# Altium PCB RTM_4SFP_3QSFP.PcbDoc (part 1 of 4)
Units mm, origin at the board's own origin, x right, y up, seen from the top; angles counter-clockwise.
Board outline 182.55 x 148.55 mm, 4 copper layers (L1, P2, P3, L4), stack 1.58 mm thick; 277 components, 253 nets, 1307 pads, 553 vias.
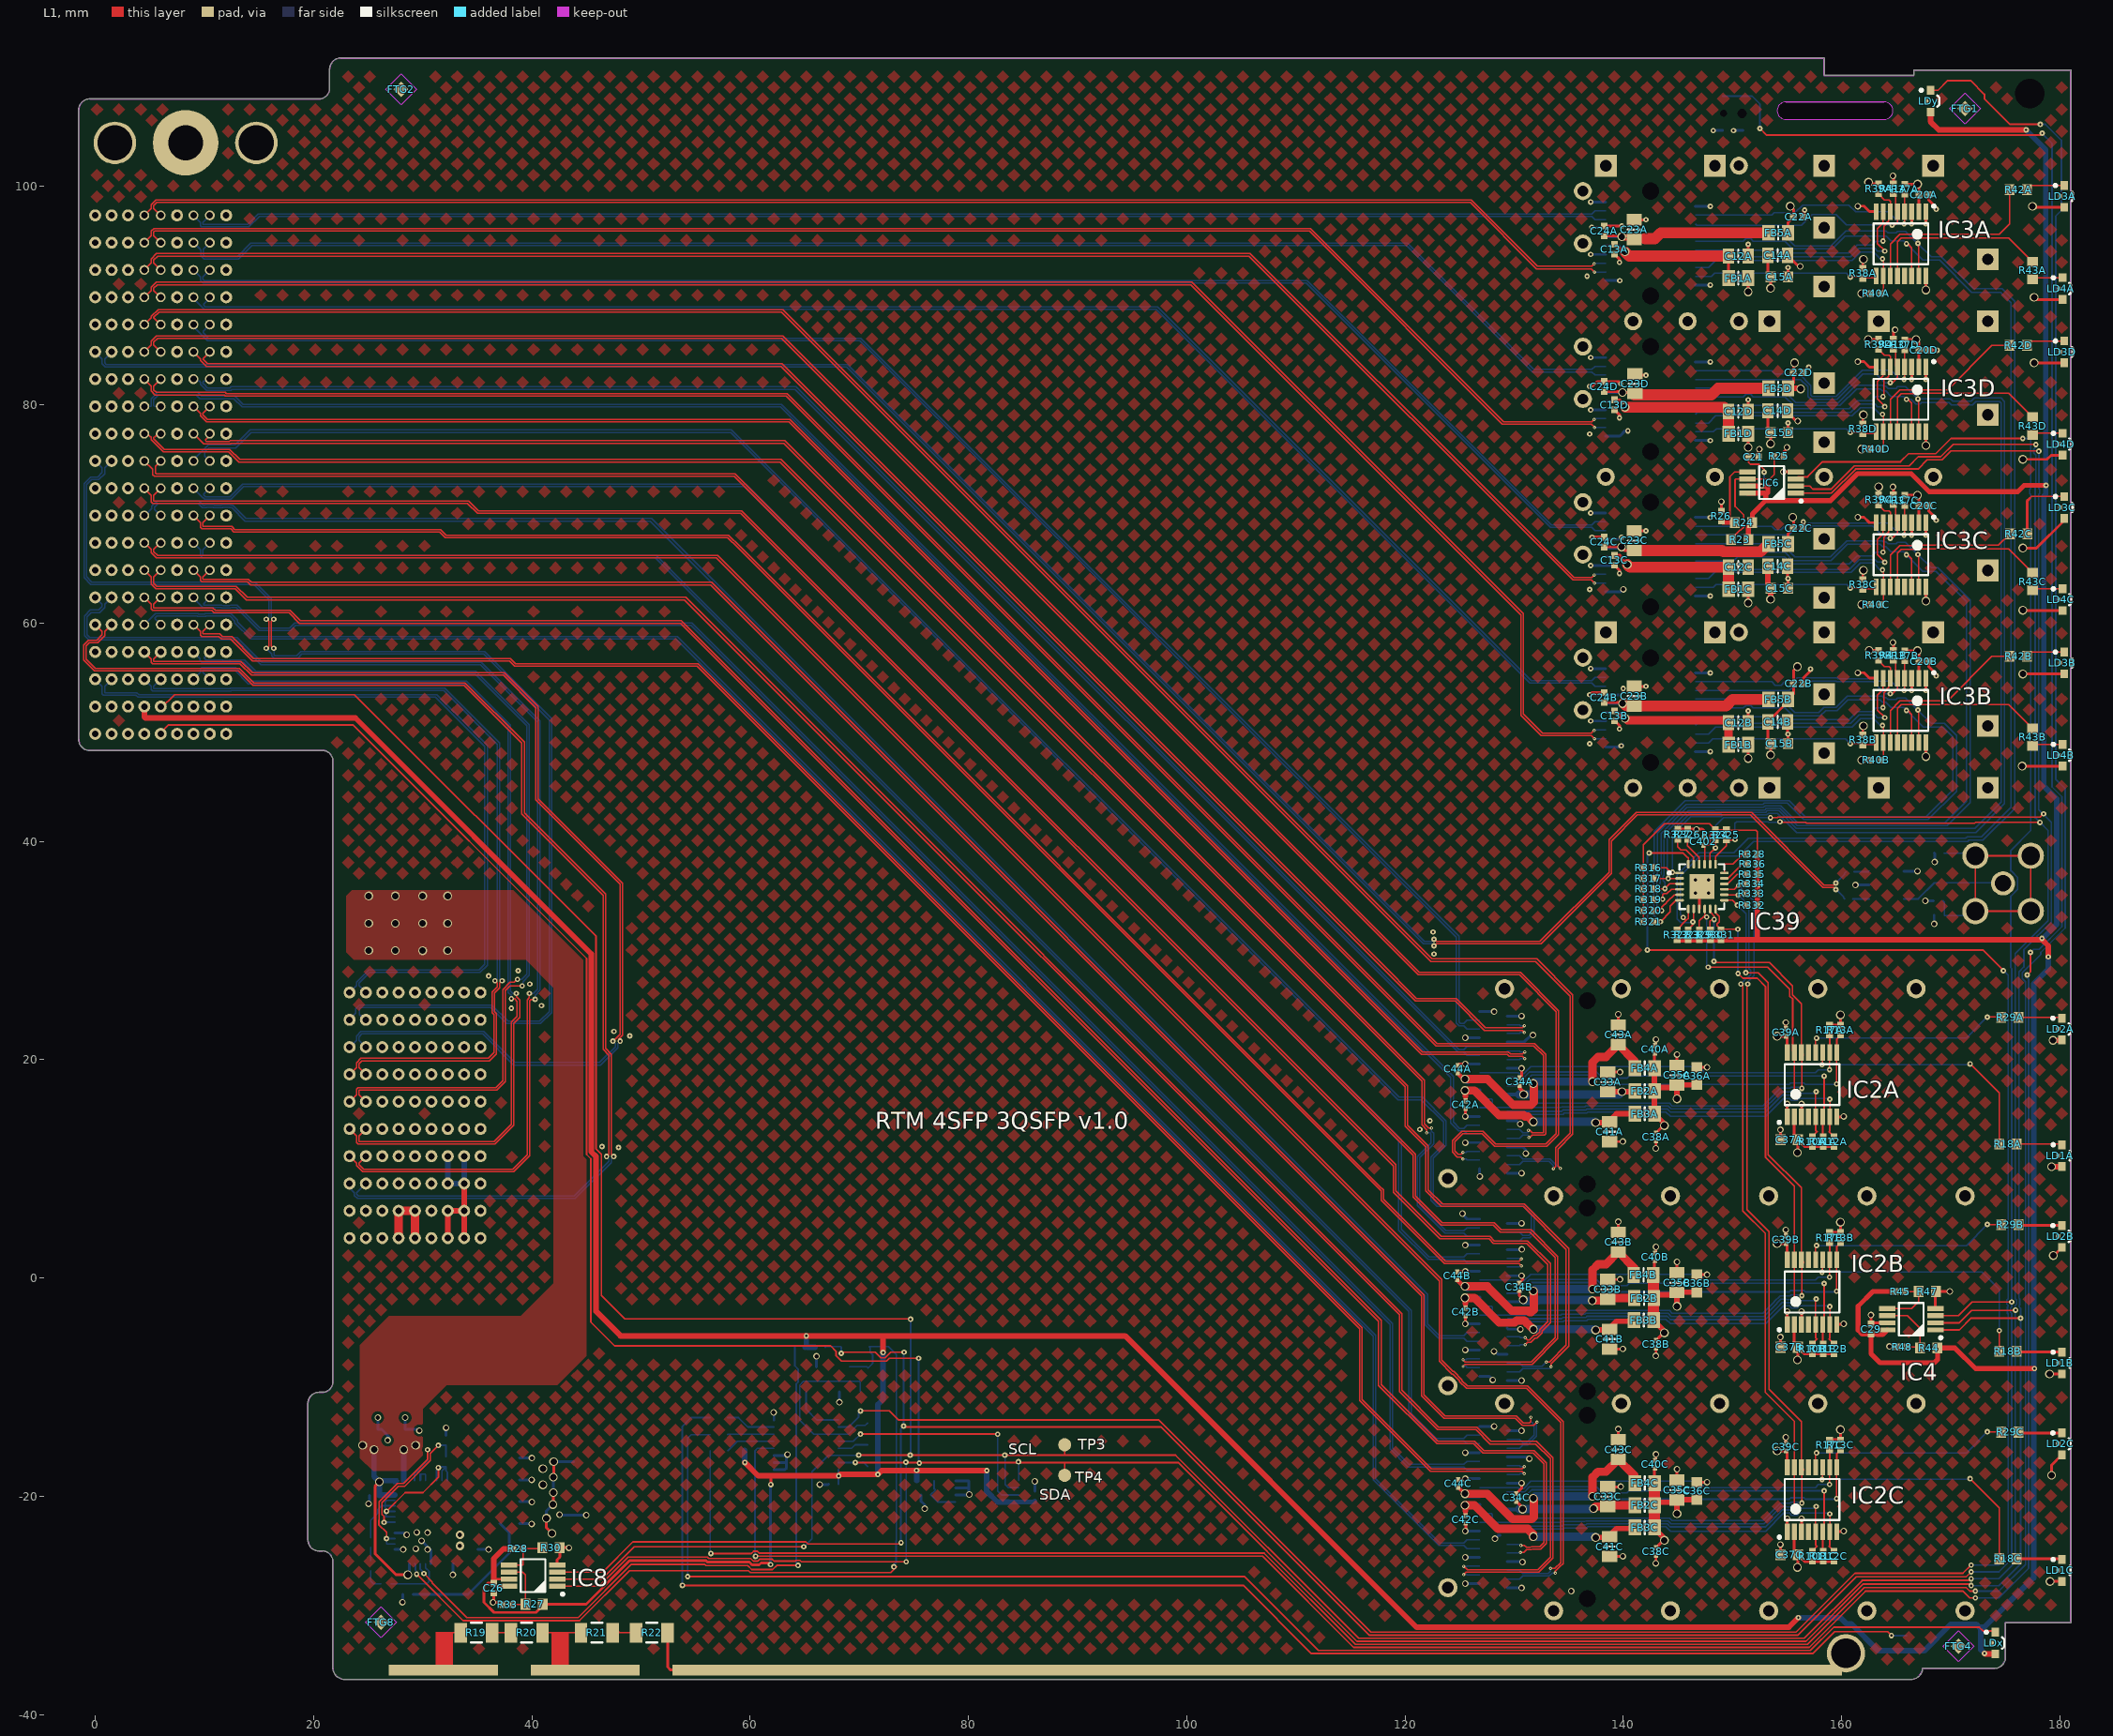
[diagram p0: L1 view]
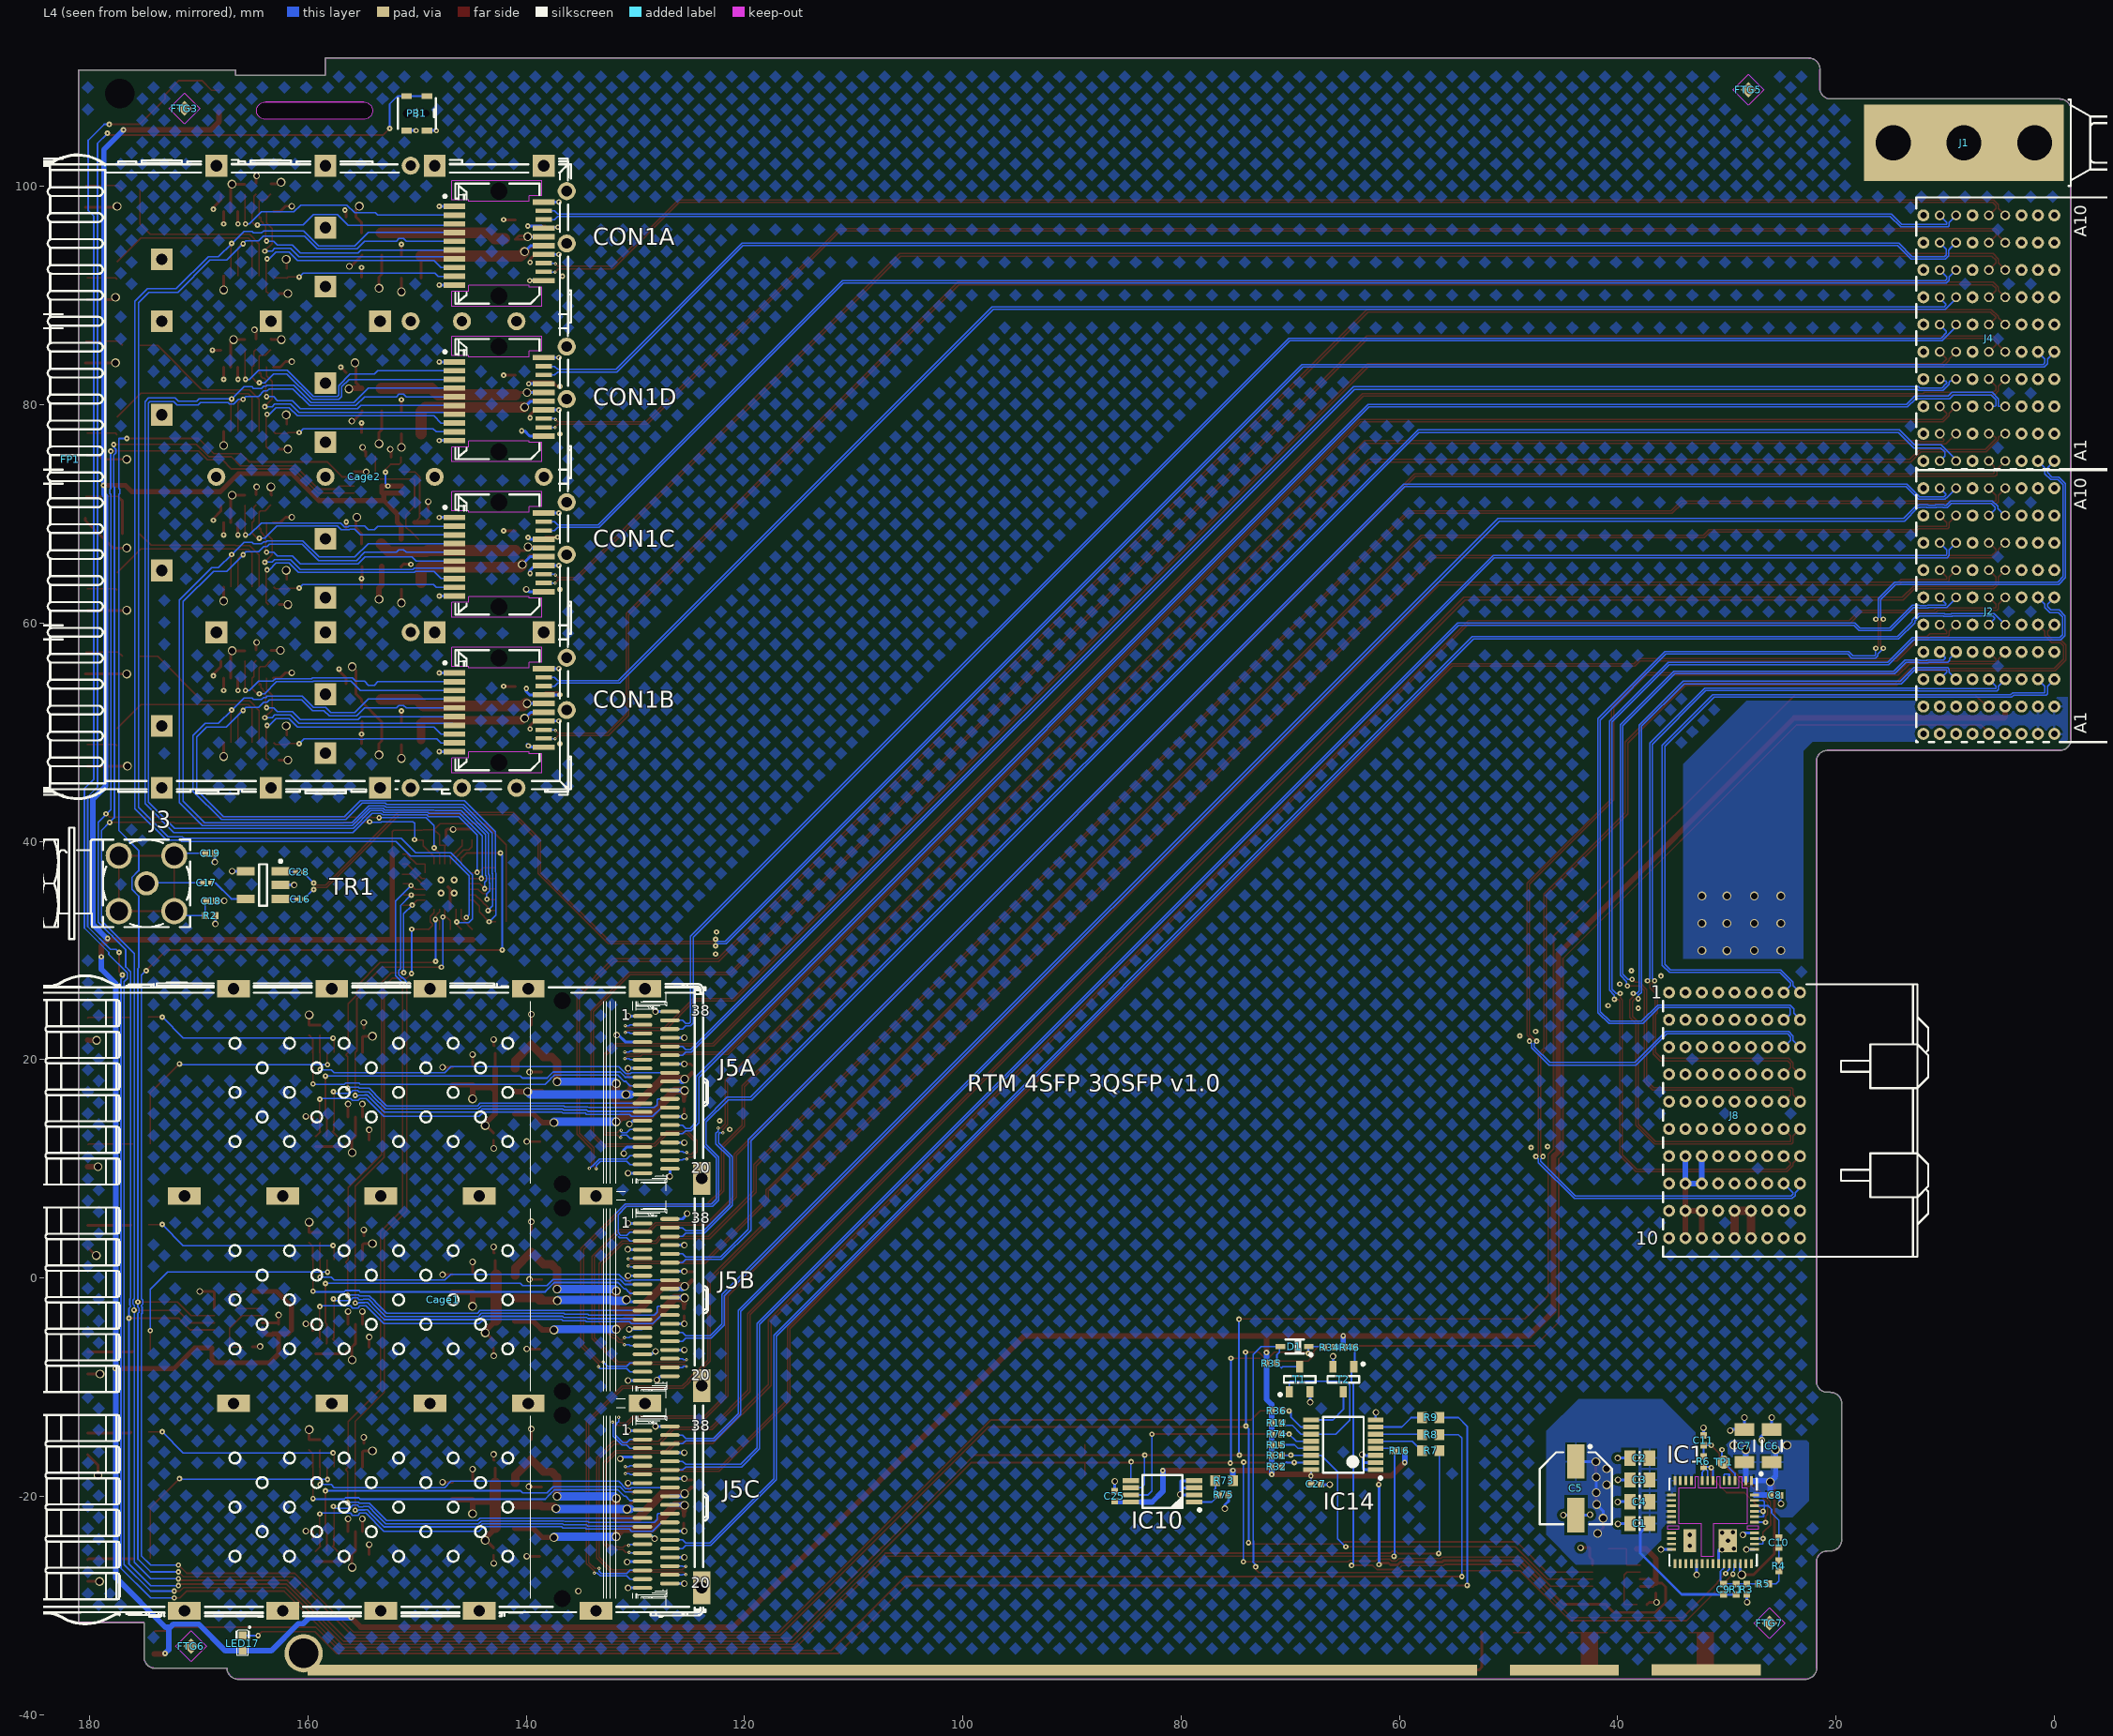
[diagram p1: L4 view, seen from below]
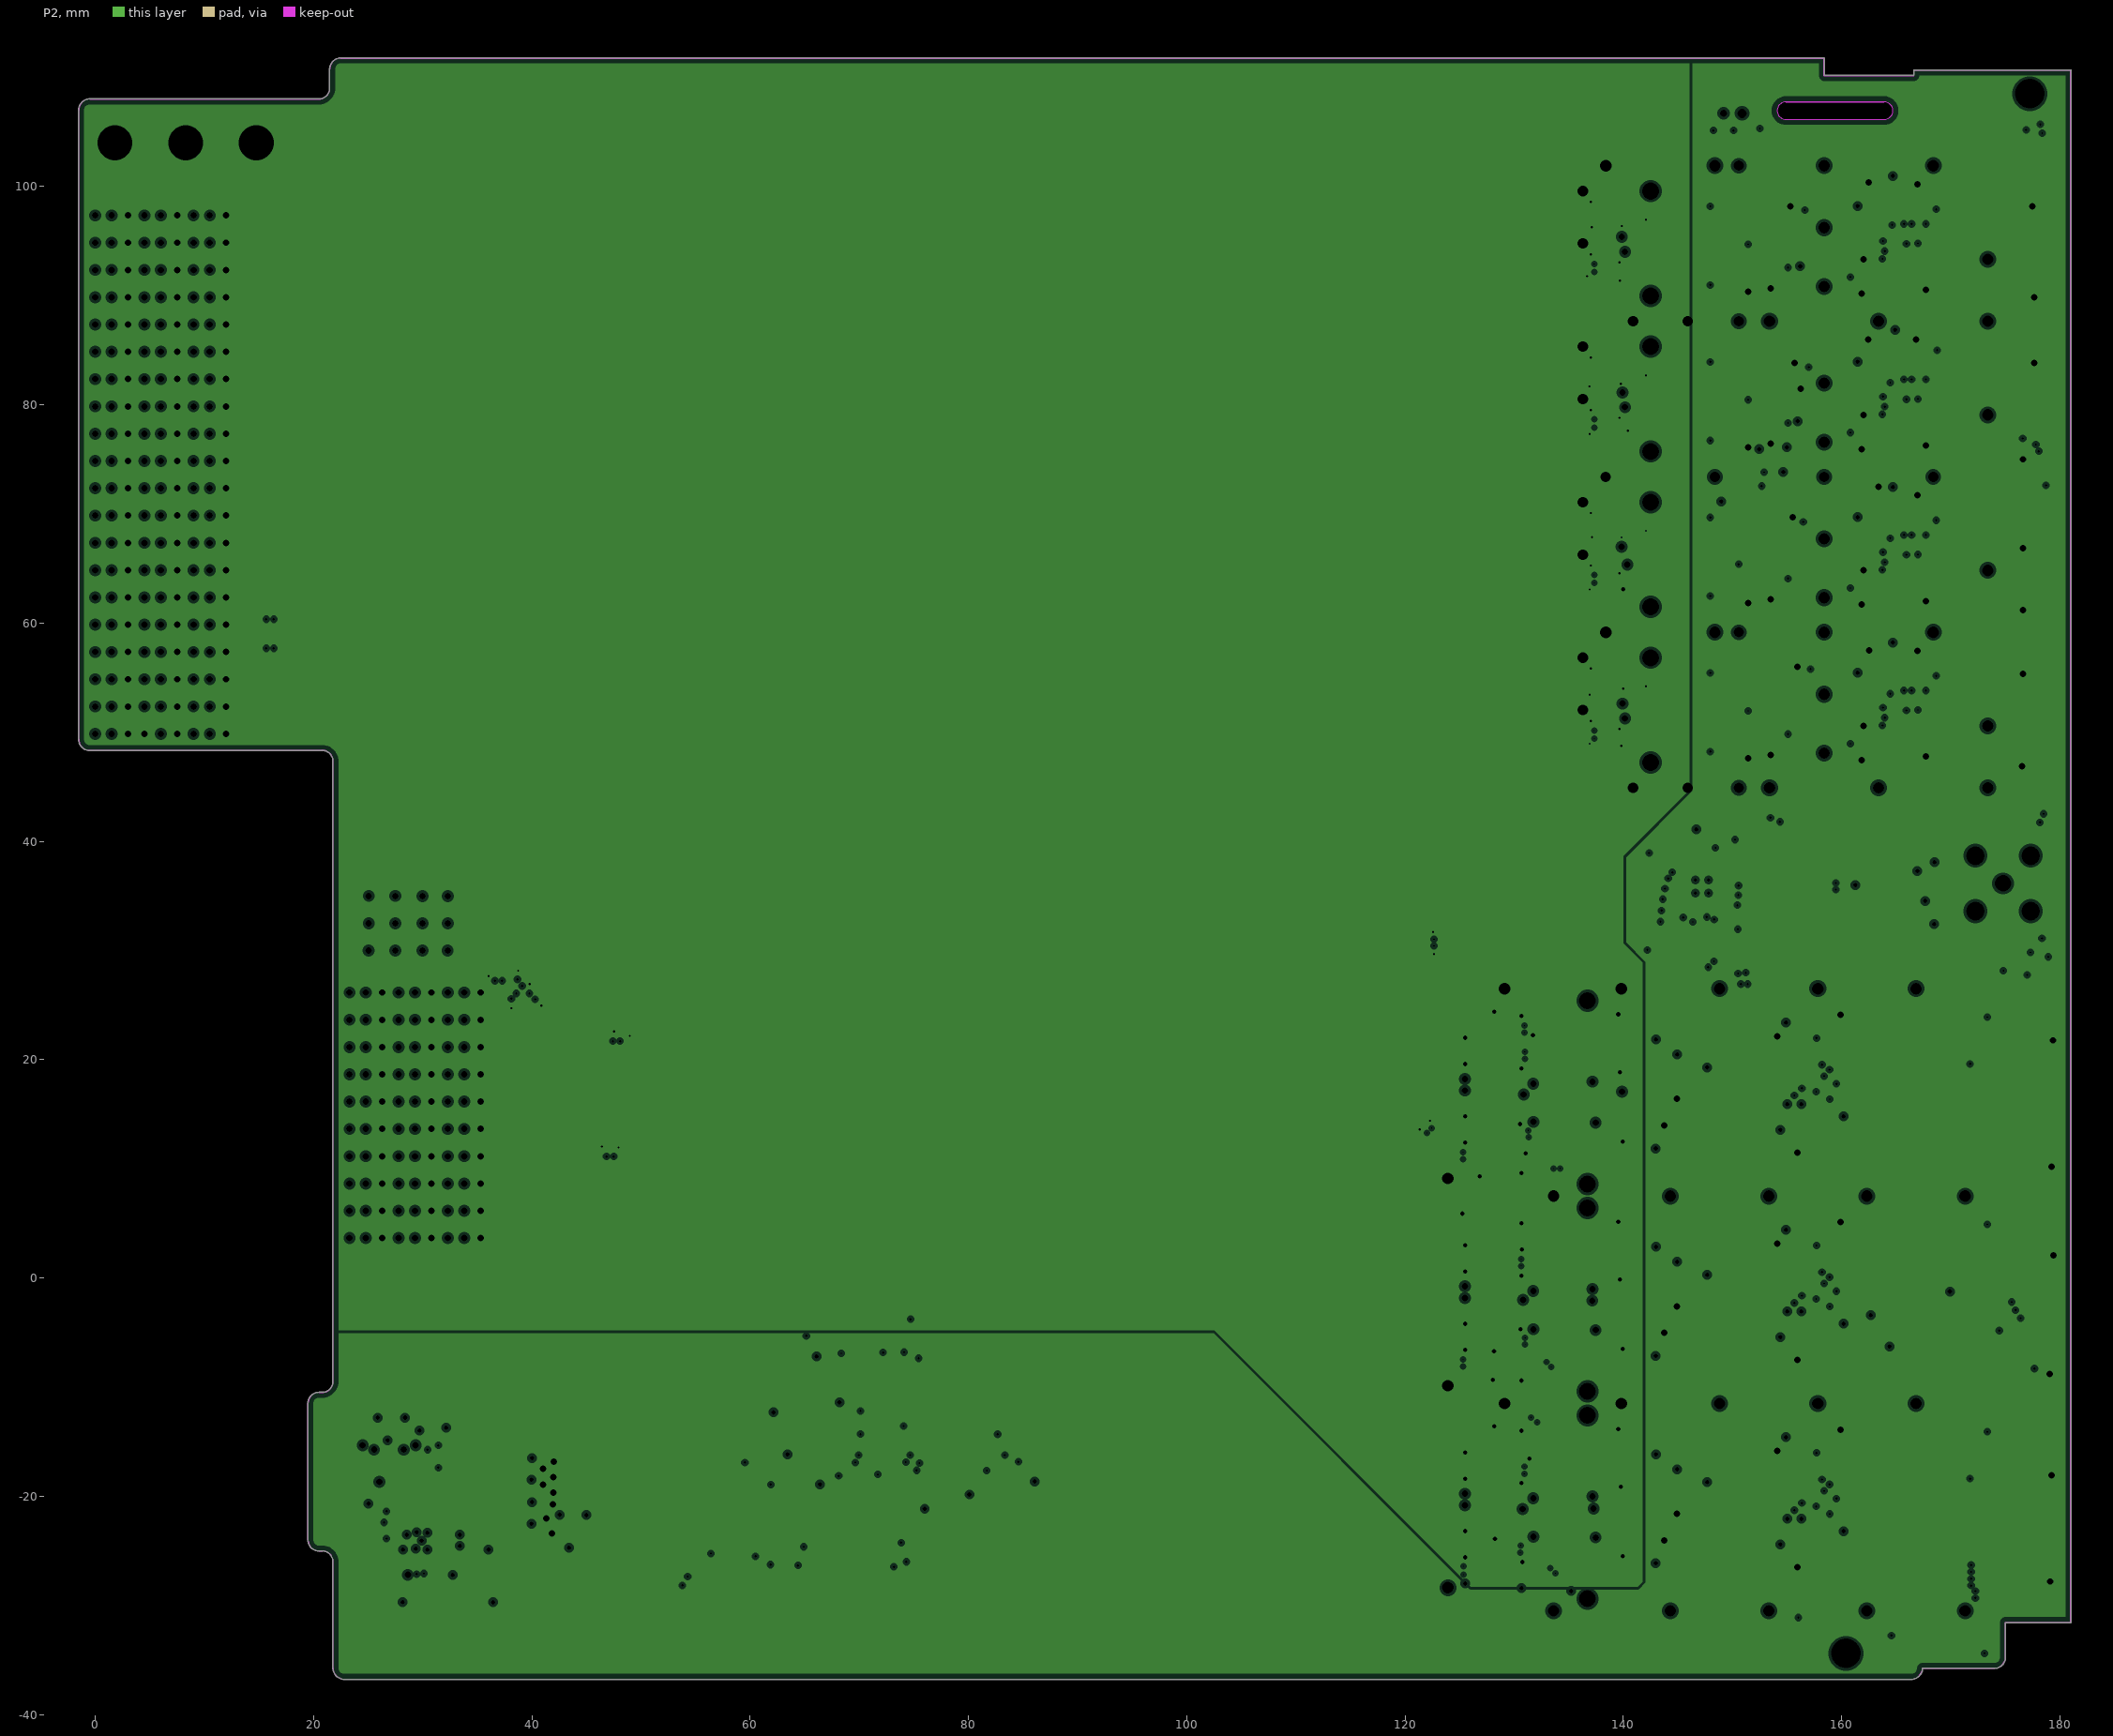
[diagram p2: P2, clearances drawn from the general rule]